# Altium PCB PROC114E3_BRD.PcbDoc (part 2 of 18) (continued)
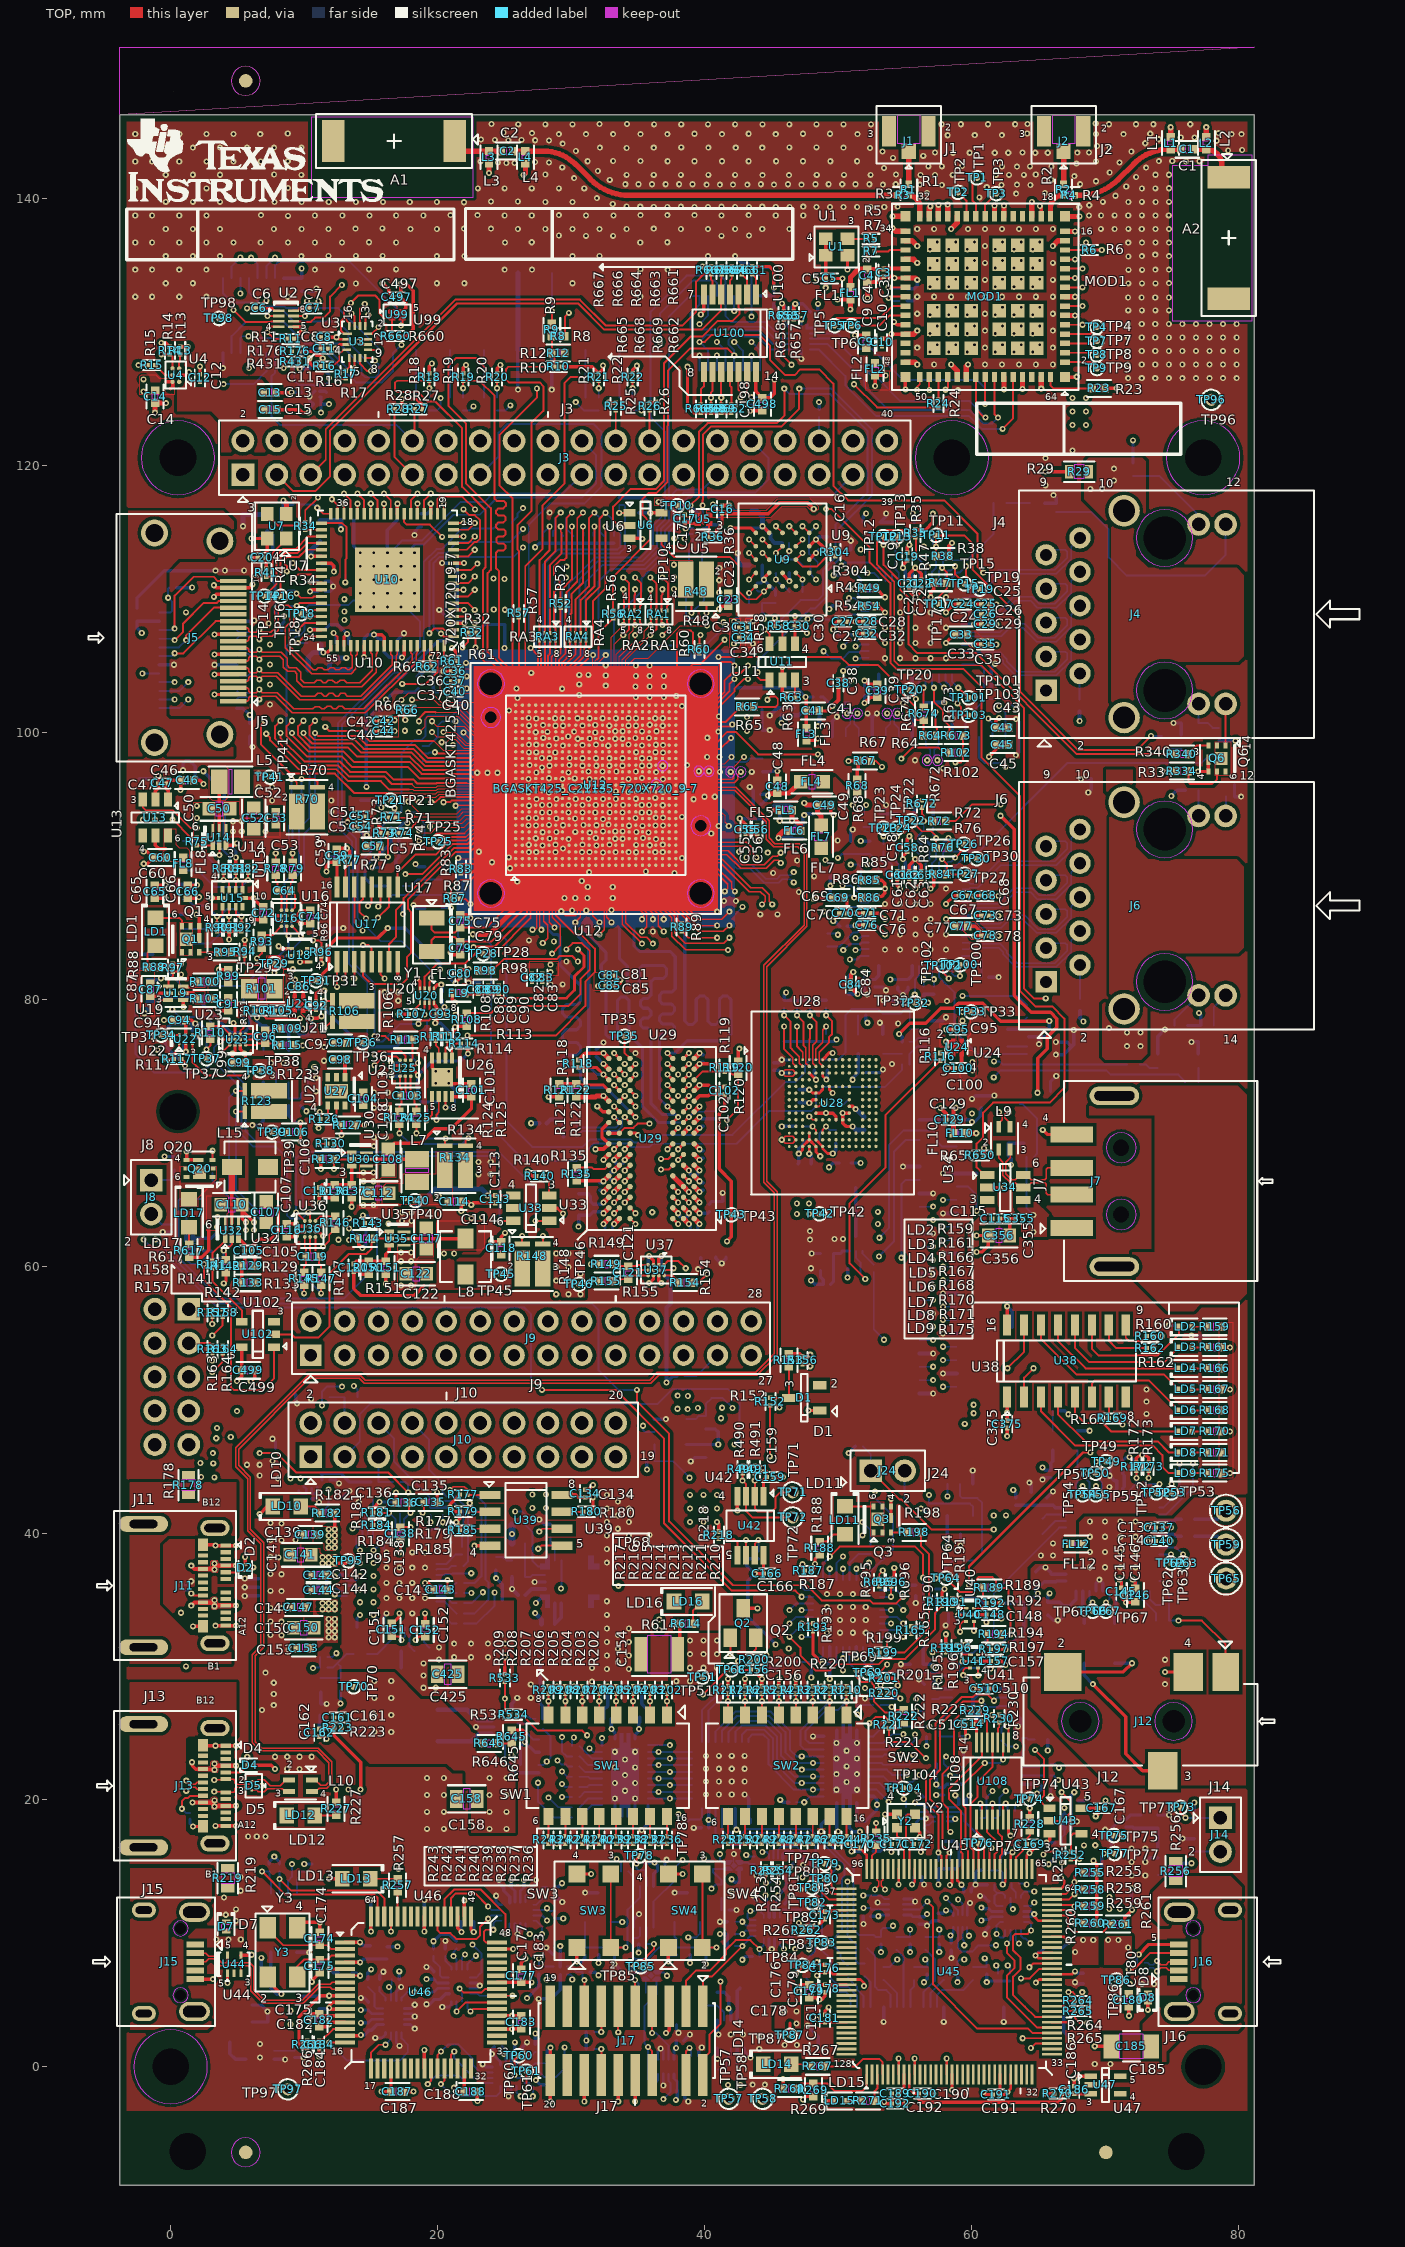
[diagram p0: TOP view]
## Components (designator, comment, footprint, x,y, rotation, side; value= is the part's Value field where it differs from the comment) (continued)
R301 "RESISTOR_RES0201_0-5_22E_1%" RES0201_0-5#1 54.319,113.184 r270 bottom
R302 "RESISTOR_RES0201_0-5_22E_1%" RES0201_0-5#1 53.43,113.184 r270 bottom
R303 "RESISTOR_RES0201_0-5_10K" RES0201_0-5#1 30.936,114.447 r270 bottom
R304 "RESISTOR_RES0201_0-5_10K" RES0201_0-5#1 49.819,113.503 r90 top
R305 "RESISTOR_RES0402_0-5_1K_1%" RES0402_0-5#2 46.357,112.454 r270 bottom
R306 "RESISTOR_RES0201_0-5_10K" RES0201_0-5#1 31.698,114.447 r270 bottom
R307 "RESISTOR_RES0201_0-5_10K" RES0201_0-5#1 33.222,114.447 r270 bottom
R308 "RESISTOR_RES0201_0-5_10K" RES0201_0-5#1 32.46,114.447 r270 bottom
R309 "RESISTOR_RES0201_0-5_10K" RES0201_0-5#1 30.174,114.447 r270 bottom
R310 "RESISTOR_RES0201_0-5_10K" RES0201_0-5#1 28.65,114.447 r270 bottom
R311 "RESISTOR_RES0402_0-5_2.49K_1%" RES0402_0-5#2 50.382,111.288 r90 bottom
R312 "RESISTOR_RES0402_0-5_0E" RES0402_0-5#2 46.867,110.518 r0 bottom
R313 "RESISTOR_RES0201_0-5_10K" RES0201_0-5#1 43.955,110.919 r90 bottom
R314 "RESISTOR_RES0201_0-5_0E" RES0201_0-5#1 0.166,110.856 r0 bottom
R315 "RESISTOR_RES0201_0-5_100K_1%" RES0201_0-5#1 45.341,112.2 r90 bottom
R316 "RESISTOR_RES0402_0-5_2.2K" RES0402_0-5#2 8.312,110.627 r0 bottom
R317 "RESISTOR_RES0201_0-5_10K" RES0201_0-5#1 45.332,109.986 r90 bottom
R318 "RESISTOR_RES0201_0-5_10K" RES0201_0-5#1 29.412,114.447 r270 bottom
R319 "RESISTOR_RES0201_0-5_10K" RES0201_0-5#1 27.888,114.447 r270 bottom
R320 "RESISTOR_RES0201_0-5_22E_1%" RES0201_0-5#1 47.656,112.526 r0 bottom
R321 "RESISTOR_RES0402_0-5_0E" RES0402_0-5#3 43.842,109.706 r0 bottom
R322 "RESISTOR_RES0201_0-5_10K" RES0201_0-5#2 50.229,109.485 r0 bottom
R323 "RESISTOR_RES0402_0-5_2.2K" RES0402_0-5#2 8.312,109.484 r0 bottom
R324 "RESISTOR_RES0402_0-5_0E" RES0402_0-5#2 50.019,108.469 r0 bottom
R325 "RESISTOR_RES0201_0-5_10K" RES0201_0-5#1 8.599,107.63 r0 bottom
R326 "RESISTOR_RES0402_0-5_10K" RES0402_0-5#2 10.733,106.69 r0 bottom
R327 "RESISTOR_RES0402_0-5_4.3K_1%" RES0402_0-5#2 12.857,106.651 r0 bottom
R328 "RESISTOR_RES0201_0-5_10K_1%" RES0201_0-5#1 61.229,104.135 r0 bottom
R329 "RESISTOR_RES0201_0-5_10K" RES0201_0-5#1 57.197,102.51 r90 bottom
R330 "RESISTOR_RES0201_0-5_1.5K" RES0201_0-5#1 56.435,102.51 r270 bottom
R331 "RESISTOR_RES0201_0-5_0E" RES0201_0-5#1 34.318,102.155 r270 bottom
R333 "RESISTOR_RES0402_0-5_49.9K_1%" RES0402_0-5#3 16.385,101.663 r0 bottom
R334 "RESISTOR_RES0402_0-5_220E" RES0402_0-5#2 75.785,97.106 r180 top
R335 "RESISTOR_RES0402_0-5_0E" RES0402_0-5#2 79.24,98.28 r0 bottom
R336 "RESISTOR_RES0201_0-5_22E_1%" RES0201_0-5#1 18.876,98.712 r270 bottom
R337 "RESISTOR_RES0201_0-5_0E" RES0201_0-5#1 18.876,98.152 r90 bottom
R338 "RESISTOR_RES0402_0-5_0E" RES0402_0-5#2 74.288,99.251 r270 bottom
R339 "RESISTOR_RES0603_0-75_0E" RES0603_0-75#2 69.734,96.521 r0 bottom
R340 "RESISTOR_RES0402_0-5_0E" RES0402_0-5#2 75.785,98.376 r0 top
R341 "RESISTOR_RES0402_0-5_220E" RES0402_0-5#2 75.725,78.04 r0 bottom
R342 "RESISTOR_RES0402_0-5_220E" RES0402_0-5#2 76.547,95.657 r0 bottom
R343 "RESISTOR_RES0201_0-5_22E_1%" RES0201_0-5#1 18.454,93.736 r90 bottom
R344 "RESISTOR_RES0402_0-5_2.49K_1%" RES0402_0-5#2 55.716,93.418 r90 bottom
R345 "RESISTOR_RES0402_0-5_2.49K_1%" RES0402_0-5#2 54.446,93.418 r270 bottom
R346 "RESISTOR_RES0402_0-5_2.49K_1%" RES0402_0-5#2 53.176,93.418 r270 bottom
R347 "RESISTOR_RES0402_0-5_2.49K_1%" RES0402_0-5#2 51.906,93.418 r90 bottom
R348 "RESISTOR_RES0402_0-5_2.49K_1%" RES0402_0-5#2 57.14,93.348 r270 bottom
R349 "RESISTOR_RES0402_0-5_5.76K_1%" RES0402_0-5#2 52.414,91.368 r270 bottom
R350 "RESISTOR_RES0402_0-5_2.49K_1%" RES0402_0-5#2 50.966,91.368 r270 bottom
R351 "RESISTOR_RES0201_0-5_10K" RES0201_0-5#1 57.875,91.34 r90 bottom
R352 "RESISTOR_RES0201_0-5_2.2K_1%" RES0201_0-5#1 56.859,91.34 r90 bottom
R353 "RESISTOR_RES0201_0-5_22E_1%" RES0201_0-5#1 54.319,91.34 r270 bottom
R354 "RESISTOR_RES0201_0-5_22E_1%" RES0201_0-5#1 53.43,91.34 r270 bottom
R355 "RESISTOR_RES0402_0-5_0E" RES0402_0-5#2 20.309,89.456 r90 bottom
R356 "RESISTOR_RES0402_0-5_2.49K_1%" RES0402_0-5#3 50.019,89.266 r0 bottom
R357 "RESISTOR_RES0402_0-5_2.49K_1%" RES0402_0-5#3 50.019,87.768 r0 bottom
R358 "RESISTOR_RES0402_0-5_0E" RES0402_0-5#2 20.309,87.323 r270 bottom
R359 "RESISTOR_RES0402_0-5_0E" RES0402_0-5#2 50.019,86.625 r0 bottom
R360 "RESISTOR_RES0402_0-5_0E" RES0402_0-5#2 49.209,84.437 r270 bottom
R361 "RESISTOR_RES0201_0-5_10K_1%" RES0201_0-5#1 61.039,82.418 r0 bottom
R362 "RESISTOR_RES0201_0-5_10K" RES0201_0-5#1 57.197,80.666 r270 bottom
R363 "RESISTOR_RES0201_0-5_2.2K" RES0201_0-5#1 56.435,80.666 r90 bottom
R364 "RESISTOR_RES0201_0-5_49.9K_1%" RES0201_0-5#1 49.125,79.64 r270 bottom
R365 "RESISTOR_RES0201_0-5_49.9K_1%" RES0201_0-5#1 47.906,79.64 r270 bottom
R366 "RESISTOR_RES0201_0-5_49.9K_1%" RES0201_0-5#1 46.94,79.64 r270 bottom
R367 "RESISTOR_RES0201_0-5_49.9K_1%" RES0201_0-5#1 45.975,79.64 r270 bottom
R368 "RESISTOR_RES0402_0-5_49.9E_1%" RES0402_0-5#2 54.167,79.421 r270 bottom
R369 "RESISTOR_RES0201_0-5_22E_1%" RES0201_0-5#1 64.195,78.928 r90 bottom
R370 "RESISTOR_RES0201_0-5_10K_1%" RES0201_0-5#1 51.802,78.803 r0 bottom
R371 "RESISTOR_RES0402_0-5_220E" RES0402_0-5#3 77.683,78.04 r0 bottom
R372 "RESISTOR_RES0201_0-5_22E_1%" RES0201_0-5#1 55.39,78.036 r90 bottom
R373 "RESISTOR_RES0201_0-5_10K" RES0201_0-5#1 6.771,77.736 r270 bottom
R374 "RESISTOR_RES0201_0-5_10K" RES0201_0-5#1 1.622,77.34 r90 bottom
R375 "RESISTOR_RES0402_0-5_100K_1%" RES0402_0-5#2 18.15,77.252 r0 bottom
R376 "RESISTOR_RES0201_0-5_49.9K_1%" RES0201_0-5#1 49.125,77.115 r90 bottom
R377 "RESISTOR_RES0201_0-5_49.9K_1%" RES0201_0-5#1 47.906,77.115 r90 bottom
R378 "RESISTOR_RES0201_0-5_49.9K_1%" RES0201_0-5#1 46.94,77.115 r90 bottom
R379 "RESISTOR_RES0201_0-5_49.9K_1%" RES0201_0-5#1 45.975,77.115 r90 bottom
R380 "RESISTOR_RES0201_0-5_10K" RES0201_0-5#2 55.102,76.819 r0 bottom
R381 "RESISTOR_RES0201_0-5_10K" RES0201_0-5#1 0.686,76.756 r0 bottom
R382 "RESISTOR_RES0201_0-5_22E_1%" RES0201_0-5#1 64.195,76.176 r270 bottom
R383 "RESISTOR_RES0402_0-5_0E" RES0402_0-5#2 72.147,75.116 r0 bottom
R384 "RESISTOR_RES0201_0-5_22E_1%" RES0201_0-5#1 55.102,75.919 r0 bottom
R385 "RESISTOR_RES0201_0-5_0E" RES0201_0-5#1 55.102,75.097 r0 bottom
R386 "RESISTOR_RES0201_0-5_10K_1%" RES0201_0-5#1 2.845,77.267 r90 bottom
R387 "RESISTOR_RES0402_0-5_0E" RES0402_0-5#2 76.525,73.799 r0 bottom
R388 "RESISTOR_RES0201_0-5_10K" RES0201_0-5#1 21.325,72.756 r90 bottom
R389 "RESISTOR_RES0201_0-5_10K" RES0201_0-5#1 9.76,72.297 r270 bottom
R390 "RESISTOR_RES0201_0-5_10K" RES0201_0-5#1 8.846,72.297 r90 bottom
R391 "RESISTOR_RES0201_0-5_4.7K" RES0201_0-5#1 19.995,72.019 r270 bottom
R392 "RESISTOR_RES0201_0-5_4.7K" RES0201_0-5#1 19.233,72.019 r270 bottom
R393 "RESISTOR_RES0201_0-5_10K_1%" RES0201_0-5#1 49.656,71.752 r270 bottom
R394 "RESISTOR_RES0201_0-5_10K" RES0201_0-5#1 40.806,71.325 r270 bottom
R395 "RESISTOR_RES0402_0-5_39.2E_1%" RES0402_0-5#3 29.938,70.987 r0 bottom
R396 "RESISTOR_RES0201_0-5_49.9K_1%" RES0201_0-5#1 47.132,70.472 r0 bottom
R397 "RESISTOR_RES0402_0-5_39.2E_1%" RES0402_0-5#3 29.938,69.717 r0 bottom
R398 "RESISTOR_RES0402_0-5_49.9K_1%" RES0402_0-5#2 49.849,69.708 r270 bottom
R399 "RESISTOR_RES0402_0-5_49.9K_1%" RES0402_0-5#2 48.143,69.383 r0 bottom
R400 "RESISTOR_RES0402_0-5_1K_1%" RES0402_0-5#2 0.278,67.732 r90 bottom
R402 "RESISTOR_RES0201_0-5_10K" RES0201_0-5#1 0.053,62.842 r90 bottom
R403 "RESISTOR_RES0201_0-5_4.7K" RES0201_0-5#2 14.358,63.18 r0 bottom
R404 "RESISTOR_RES0201_0-5_4.7K" RES0201_0-5#2 14.358,62.418 r0 bottom
R406 "RESISTOR_RES0402_0-5_100K_1%" RES0402_0-5#3 49.188,60.945 r0 bottom
R407 "RESISTOR_RES0201_0-5_1K_0.1%" RES0201_0-5#1 39.728,60.919 r270 bottom
R408 "RESISTOR_RES0201_0-5_1K_0.1%" RES0201_0-5#1 37.975,60.869 r0 bottom
R410 "RESISTOR_RES0201_0-5_0E" RES0201_0-5#1 52.694,59.827 r90 bottom
R411 "RESISTOR_RES0402_0-5_100K_1%" RES0402_0-5#3 51.22,59.802 r0 bottom
R412 "RESISTOR_RES0402_0-5_316K_1%" RES0402_0-5#2 49.188,59.675 r0 bottom
R418 "RESISTOR_RES0603_0-75_0E" RES0603_0-75#1 75.858,56.297 r270 bottom
R420 "RESISTOR_RES0201_0-5_10K" RES0201_0-5#2 38.216,51.75 r0 bottom
R421 "RESISTOR_RES0402_0-5_0E" RES0402_0-5#3 13.527,50.175 r0 bottom
R422 "RESISTOR_RES0201_0-5_0E" RES0201_0-5#1 11.622,50.175 r0 bottom
R425 "RESISTOR_RES0201_0-5_10K_1%" RES0201_0-5#2 66.387,49.157 r0 bottom
R426 "RESISTOR_RES0402_0-5_49.9K_1%" RES0402_0-5#2 40.114,48.283 r90 bottom
R427 "RESISTOR_RES0201_0-5_10K" RES0201_0-5#2 35.971,45.38 r0 bottom
R431 "RESISTOR_RES0201_0-5_10K" RES0201_0-5#1 9.353,127.789 r180 top
R432 "RESISTOR_RES0201_0-5_10K" RES0201_0-5#1 73.293,44.968 r270 bottom
R433 "RESISTOR_RES0201_0-5_10K" RES0201_0-5#1 72.379,44.968 r270 bottom
R437 "RESISTOR_RES0201_0-5_0E" RES0201_0-5#1 69.367,44.511 r270 bottom
R438 "RESISTOR_RES0201_0-5_0E" RES0201_0-5#1 67.957,44.422 r90 bottom
R439 "RESISTOR_RES0201_0-5_0E" RES0201_0-5#1 76.62,44.384 r270 bottom
R440 "RESISTOR_RES0201_0-5_0E" RES0201_0-5#1 75.604,44.384 r270 bottom
R441 "RESISTOR_RES0201_0-5_0E" RES0201_0-5#2 16.948,43.825 r0 bottom
R442 "RESISTOR_RES0201_0-5_2.2K" RES0201_0-5#1 15.297,43.825 r0 bottom
R445 "RESISTOR_RES0402_0-5_100K_1%" RES0402_0-5#3 12.313,42.561 r0 bottom
R446 "RESISTOR_RES0201_0-5_0E" RES0201_0-5#1 63.336,42.352 r90 bottom
R449 "RESISTOR_RES0402_0-5_1M_1%" RES0402_0-5#2 14.1,41.187 r0 bottom
R450 "RESISTOR_RES0201_0-5_10K" RES0201_0-5#1 17.17,41.747 r270 bottom
R451 "RESISTOR_RES0201_0-5_10K" RES0201_0-5#1 20.396,41.645 r270 bottom
R452 "RESISTOR_RES0201_0-5_10K" RES0201_0-5#1 19.481,41.645 r270 bottom
R453 "RESISTOR_RES0402_0-5_100K_1%" RES0402_0-5#2 26.074,40.625 r0 bottom
R454 "RESISTOR_RES0402_0-5_32.4K_1%" RES0402_0-5#2 28.462,40.168 r90 bottom
R455 "RESISTOR_RES0402_0-5_100K_1%" RES0402_0-5#2 26.074,39.228 r0 bottom
R457 "RESISTOR_RES0201_0-5_10K" RES0201_0-5#1 21.044,39.6 r270 bottom
R459 "RESISTOR_RES0201_0-5_10K" RES0201_0-5#1 44.297,134.562 r90 bottom
R460 "RESISTOR_RES0201_0-5_0E" RES0201_0-5#1 21.819,38.686 r270 bottom
R461 "RESISTOR_RES0402_0-5_1K_1%" RES0402_0-5#2 24.373,37.714 r90 bottom
R464 "RESISTOR_RES0201_0-5_0E" RES0201_0-5#2 21.668,37.515 r0 bottom
R465 "RESISTOR_RES0402_0-5_100K_1%" RES0402_0-5#3 9.628,36.911 r0 bottom
R466 "RESISTOR_RES0201_0-5_0E" RES0201_0-5#2 11.406,36.805 r0 bottom
R467 "RESISTOR_RES0402_0-5_43.2K_1%" RES0402_0-5#3 26.074,36.688 r0 bottom
R468 "RESISTOR_RES0201_0-5_0E" RES0201_0-5#1 21.693,36.271 r0 bottom
R469 "RESISTOR_RES0201_0-5_10K" RES0201_0-5#2 56.117,36.078 r0 bottom
R470 "RESISTOR_RES0201_0-5_10K_1%" RES0201_0-5#2 11.406,36.043 r0 bottom
R471 "RESISTOR_RES0402_0-5_100K_1%" RES0402_0-5#3 9.628,35.641 r0 bottom
R472 "RESISTOR_RES0201_0-5_10K" RES0201_0-5#1 57.347,35.521 r90 bottom
R473 "RESISTOR_RES0201_0-5_0E" RES0201_0-5#1 21.693,35.509 r0 bottom
R474 "RESISTOR_RES0201_0-5_10K" RES0201_0-5#1 56.117,35.316 r0 bottom
R475 "RESISTOR_RES0201_0-5_10K_1%" RES0201_0-5#2 24.561,35.007 r0 bottom
R477 "RESISTOR_RES0201_0-5_0E" RES0201_0-5#2 64.225,34.834 r0 bottom
R478 "RESISTOR_RES0201_0-5_0E" RES0201_0-5#1 21.693,34.747 r0 bottom
R479 "RESISTOR_RES0201_0-5_2.2K_1%" RES0201_0-5#2 74.538,34.605 r0 bottom
R480 "RESISTOR_RES0201_0-5_0E" RES0201_0-5#1 21.693,33.985 r0 bottom
R481 "RESISTOR_RES0201_0-5_10K" RES0201_0-5#1 60.212,33.691 r90 bottom
R482 "RESISTOR_RES0201_0-5_0E" RES0201_0-5#2 21.693,33.223 r0 bottom
R483 "RESISTOR_RES0402_0-5_0E" RES0402_0-5#2 17.769,31.151 r0 bottom
R484 "RESISTOR_RES0201_0-5_100K_1%" RES0201_0-5#1 19.394,31.125 r270 bottom
R485 "RESISTOR_RES0402_0-5_0E" RES0402_0-5#2 46.454,30.339 r0 bottom
R486 "RESISTOR_RES0201_0-5_10K" RES0201_0-5#1 48.011,30.059 r270 bottom
R487 "RESISTOR_RES0201_0-5_10K" RES0201_0-5#1 58.297,30.135 r90 bottom
R488 "RESISTOR_RES0201_0-5_10K" RES0201_0-5#2 52.273,30.034 r0 bottom
R489 "RESISTOR_RES0201_0-5_10K" RES0201_0-5#1 51.421,27.39 r90 bottom
R490 "RESISTOR_RES0201_0-5_4.7K" RES0201_0-5#1 42.862,44.767 r270 top
R491 "RESISTOR_RES0201_0-5_4.7K" RES0201_0-5#1 43.776,44.767 r270 top
R492 "RESISTOR_RES0201_0-5_0E" RES0201_0-5#1 11.457,29.93 r0 bottom
R494 "RESISTOR_RES0402_0-5_1K_1%" RES0402_0-5#3 14.209,30.928 r0 bottom
R495 "RESISTOR_RES0201_0-5_10K_1%" RES0201_0-5#1 11.139,25.029 r90 bottom
R497 "RESISTOR_RES0402_0-5_100K_1%" RES0402_0-5#2 12.727,28.66 r270 bottom
R498 "RESISTOR_RES0201_0-5_4.7K" RES0201_0-5#1 43.126,38.345 r90 bottom
R499 "RESISTOR_RES0201_0-5_4.7K" RES0201_0-5#1 44.041,38.345 r90 bottom
R501 "RESISTOR_RES0201_0-5_1.1K_1%" RES0201_0-5#2 30.367,24.021 r0 bottom
R502 "RESISTOR_RES0201_0-5_10K_1%" RES0201_0-5#2 10.911,26.337 r0 bottom
R504 "RESISTOR_RES0201_0-5_1.1K_1%" RES0201_0-5#2 30.367,23.259 r0 bottom
R506 "RESISTOR_RES0201_0-5_1.1K_1%" RES0201_0-5#2 30.367,22.497 r0 bottom
R508 "RESISTOR_RES0201_0-5_1.1K_1%" RES0201_0-5#2 30.367,21.735 r0 bottom
R509 "RESISTOR_RES0201_0-5_10K_1%" RES0201_0-5#1 27.58,22.327 r270 bottom
R511 "RESISTOR_RES0201_0-5_1.1K_1%" RES0201_0-5#2 30.367,20.973 r0 bottom
R513 "RESISTOR_RES0201_0-5_1.1K_1%" RES0201_0-5#2 30.367,20.211 r0 bottom
R514 "RESISTOR_RES0201_0-5_10K" RES0201_0-5#2 46.598,19.822 r0 bottom
R515 "RESISTOR_RES0201_0-5_10K_1%" RES0201_0-5#1 13.844,19.467 r0 bottom
R516 "RESISTOR_RES0201_0-5_1.1K_1%" RES0201_0-5#2 30.367,19.449 r0 bottom
R517 "RESISTOR_RES0201_0-5_10K" RES0201_0-5#1 76.72,18.939 r90 bottom
R518 "RESISTOR_RES0201_0-5_1.1K_1%" RES0201_0-5#2 30.367,18.687 r0 bottom
R519 "RESISTOR_RES0402_0-5_30K" RES0402_0-5#2 73.981,18.374 r90 bottom
R520 "RESISTOR_RES0402_0-5_51K" RES0402_0-5#2 72.711,18.374 r270 bottom
R521 "RESISTOR_RES0201_0-5_10K" RES0201_0-5#1 43.149,18.298 r0 bottom
R522 "RESISTOR_RES0201_0-5_10K" RES0201_0-5#2 38.343,18.261 r0 bottom
R525 "RESISTOR_RES0201_0-5_0E" RES0201_0-5#2 56.769,26.67 r0 bottom
R526 "RESISTOR_RES0201_0-5_10K" RES0201_0-5#1 66.53,16.793 r0 bottom
R527 "RESISTOR_RES0402_0-5_1K_1%" RES0402_0-5#2 76.72,16.609 r270 bottom
R530 "RESISTOR_RES0402_0-5_100E_1%" RES0402_0-5#3 52.168,16.139 r0 bottom
R531 "RESISTOR_RES0201_0-5_10K" RES0201_0-5#2 66.53,16.031 r0 bottom
R533 "RESISTOR_RES0201_0-5_10K_1%" RES0201_0-5#1 25.049,29.134 r270 top
R534 "RESISTOR_RES0201_0-5_0E" RES0201_0-5#1 25.705,26.386 r180 top
R535 "RESISTOR_RES0201_0-5_33E" RES0201_0-5#1 43.771,15.47 r270 bottom
R537 "RESISTOR_RES0201_0-5_10K" RES0201_0-5#1 40.646,15.117 r90 bottom
R538 "RESISTOR_RES0201_0-5_10K" RES0201_0-5#1 35.531,15.021 r270 bottom
R539 "RESISTOR_RES0201_0-5_10K" RES0201_0-5#1 62.193,14.997 r90 bottom
R540 "RESISTOR_RES0201_0-5_0E" RES0201_0-5#1 75.173,14.971 r270 bottom
R541 "RESISTOR_RES0201_0-5_10K" RES0201_0-5#1 10.561,14.917 r90 bottom
R542 "RESISTOR_RES0201_0-5_10K" RES0201_0-5#1 8.154,14.917 r90 bottom
R543 "RESISTOR_RES0201_0-5_10K" RES0201_0-5#1 7.392,14.917 r90 bottom
R544 "RESISTOR_RES0201_0-5_0E" RES0201_0-5#2 56.769,27.559 r0 bottom
R546 "RESISTOR_RES0201_0-5_10K" RES0201_0-5#2 61.025,14.717 r0 bottom
R550 "RESISTOR_RES0201_0-5_4.7K" RES0201_0-5#2 34.022,14.639 r0 bottom
R551 "RESISTOR_RES0201_0-5_2.2K_1%" RES0201_0-5#1 9.366,14.637 r0 bottom
R552 "RESISTOR_RES0402_0-5_1K_1%" RES0402_0-5#2 68.924,14.554 r0 bottom
R553 "RESISTOR_RES0201_0-5_22E_1%" RES0201_0-5#2 63.311,13.752 r0 bottom
R554 "RESISTOR_RES0201_0-5_10K" RES0201_0-5#1 61.466,13.649 r0 bottom
R555 "RESISTOR_RES0201_0-5_10K" RES0201_0-5#1 28.487,13.472 r0 bottom
R556 "RESISTOR_RES0402_0-5_1K_1%" RES0402_0-5#2 68.924,13.284 r0 bottom
R557 "RESISTOR_RES0402_0-5_100E_1%" RES0402_0-5#2 41.283,13.156 r270 bottom
R558 "RESISTOR_RES0201_0-5_10K" RES0201_0-5#2 28.487,12.583 r0 bottom
R559 "RESISTOR_RES0201_0-5_10K" RES0201_0-5#1 47.257,12.066 r270 bottom
R560 "RESISTOR_RES0402_0-5_1K_1%" RES0402_0-5#2 68.924,12.014 r0 bottom
R561 "RESISTOR_RES0201_0-5_4.7K" RES0201_0-5#1 28.8,11.394 r90 bottom
R562 "RESISTOR_RES0201_0-5_10K" RES0201_0-5#1 42.004,10.867 r0 bottom
R563 "RESISTOR_RES0402_0-5_1K_1%" RES0402_0-5#2 68.924,10.744 r0 bottom
R564 "RESISTOR_RES0201_0-5_10K" RES0201_0-5#2 42.004,9.952 r0 bottom
R565 "RESISTOR_RES0201_0-5_22E_1%" RES0201_0-5#1 47.461,9.764 r90 bottom
R566 "RESISTOR_RES0201_0-5_10K" RES0201_0-5#1 57.604,9.455 r270 bottom
R567 "RESISTOR_RES0201_0-5_10K" RES0201_0-5#1 55.419,9.455 r270 bottom
R568 "RESISTOR_RES0201_0-5_10K" RES0201_0-5#1 53.235,9.455 r270 bottom
R569 "RESISTOR_RES0402_0-5_0E" RES0402_0-5#2 52.219,9.372 r270 bottom
R570 "RESISTOR_RES0402_0-5_0E" RES0402_0-5#2 56.588,9.245 r270 bottom
R571 "RESISTOR_RES0402_0-5_0E" RES0402_0-5#2 54.403,9.245 r270 bottom
R572 "RESISTOR_RES0201_0-5_10K" RES0201_0-5#2 35.352,9.198 r0 bottom
R573 "RESISTOR_RES0201_0-5_4.7K" RES0201_0-5#1 21.418,9.126 r270 bottom
R574 "RESISTOR_RES0201_0-5_10K" RES0201_0-5#2 42.004,9.038 r0 bottom
R575 "RESISTOR_RES0201_0-5_10K" RES0201_0-5#1 38.927,8.664 r90 bottom
R576 "RESISTOR_RES0201_0-5_10K" RES0201_0-5#1 32.069,8.664 r90 bottom
R577 "RESISTOR_RES0201_0-5_10K" RES0201_0-5#1 20.588,8.57 r270 bottom
R578 "RESISTOR_RES0201_0-5_10K" RES0201_0-5#1 19.699,8.57 r90 bottom
R579 "RESISTOR_RES0201_0-5_10K" RES0201_0-5#2 43.854,8.265 r0 bottom
R580 "RESISTOR_RES0201_0-5_0E" RES0201_0-5#1 65.659,22.707 r0 bottom
R581 "RESISTOR_RES0201_0-5_4.7K" RES0201_0-5#1 62.899,6.705 r90 bottom
R583 "RESISTOR_RES0402_0-5_0E" RES0402_0-5#2 52.016,7.249 r270 bottom
R584 "RESISTOR_RES0201_0-5_10K" RES0201_0-5#1 27.598,7.218 r90 bottom
R585 "RESISTOR_RES0201_0-5_10K" RES0201_0-5#1 61.16,7.205 r270 bottom
R586 "RESISTOR_RES0201_0-5_10K" RES0201_0-5#1 58.975,7.205 r270 bottom
R587 "RESISTOR_RES0201_0-5_10K" RES0201_0-5#1 56.715,7.205 r270 bottom
R589 "RESISTOR_RES0402_0-5_0E" RES0402_0-5#2 50.746,7.128 r270 bottom
R590 "RESISTOR_RES0402_0-5_0E" RES0402_0-5#2 49.476,7.128 r270 bottom
R591 "RESISTOR_RES0402_0-5_0E" RES0402_0-5#2 47.647,7.128 r270 bottom
R592 "RESISTOR_RES0201_0-5_4.7K" RES0201_0-5#2 31.155,7.097 r0 bottom
R593 "RESISTOR_RES0402_0-5_12K_1%" RES0402_0-5#2 13.047,7.052 r0 bottom
R594 "RESISTOR_RES0402_0-5_0E" RES0402_0-5#2 60.144,6.995 r270 bottom
R595 "RESISTOR_RES0402_0-5_0E" RES0402_0-5#2 57.959,6.995 r270 bottom
R596 "RESISTOR_RES0402_0-5_0E" RES0402_0-5#2 55.699,6.995 r270 bottom
R597 "RESISTOR_RES0402_0-5_0E" RES0402_0-5#2 53.438,6.995 r270 bottom
R598 "RESISTOR_RES0201_0-5_0E" RES0201_0-5#1 65.659,21.818 r0 bottom
R599 "RESISTOR_RES0201_0-5_4.7K" RES0201_0-5#2 16.849,6.572 r0 bottom
R600 "RESISTOR_RES0201_0-5_4.7K" RES0201_0-5#1 62.01,6.705 r90 bottom
R601 "RESISTOR_RES0201_0-5_10K" RES0201_0-5#1 15.66,6.259 r270 bottom
R602 "RESISTOR_RES0201_0-5_10K" RES0201_0-5#1 14.784,6.259 r90 bottom
R603 "RESISTOR_RES0201_0-5_33E" RES0201_0-5#1 35.336,5.497 r0 bottom
R604 "RESISTOR_RES0402_0-5_100K_1%" RES0402_0-5#2 40.942,5.089 r90 bottom
R605 "RESISTOR_RES0201_0-5_10K" RES0201_0-5#1 31.433,2.6 r0 bottom
R606 "RESISTOR_RES0201_0-5_10K" RES0201_0-5#1 27.332,1.395 r90 bottom
R607 "RESISTOR_RES0201_0-5_10K" RES0201_0-5#1 31.433,1.331 r0 bottom
R608 "RESISTOR_RES0201_0-5_0E" RES0201_0-5#2 39.283,0.823 r0 bottom
R609 "RESISTOR_RES0201_0-5_10K" RES0201_0-5#1 28.233,0.544 r270 bottom
R610 "RESISTOR_RES0402_0-5_0E" RES0402_0-5#2 41.01,-0.701 r90 bottom
R611 "RESISTOR_RES0201_0-5_4.7K" RES0201_0-5#1 28.005,-1.057 r90 bottom
R612 "RESISTOR_RES0805_0-75_0E" RES0805_0-75#2 3.138,13.752 r0 bottom
R614 "RESISTOR_RES0402_0-5_220E" RES0402_0-5#2 38.647,33.208 r180 top
R616 "RESISTOR_RES0402_0-5_0E" RES0402_0-5#2 3.144,67.478 r90 bottom
R617 "RESISTOR_RES0402_0-5_220E" RES0402_0-5#2 1.389,61.152 r270 top
R625 "RESISTOR_RES0201_0-5_0E" RES0201_0-5#1 11.457,30.692 r0 bottom
R641 "RESISTOR_RES0201_0-5_0E" RES0201_0-5#2 27.61,26.081 r0 bottom
R642 "RESISTOR_RES0201_0-5_0E" RES0201_0-5#1 27.61,25.319 r0 bottom
R643 "RESISTOR_RES0201_0-5_0E" RES0201_0-5#1 25.908,22.652 r0 bottom
R645 "RESISTOR_RES0402_0-5_130K_1%" RES0402_0-5#2 25.549,24.722 r90 top
R646 "RESISTOR_RES0402_0-5_680K_1%" RES0402_0-5#2 23.869,24.232 r0 top
R647 "RESISTOR_RES0201_0-5_10K_1%" RES0201_0-5#2 62.475,69.21 r0 bottom
R648 "RESISTOR_RES0402_0-5_16.5K_1%" RES0402_0-5#2 64.433,69.21 r0 bottom
R649 "RESISTOR_RES0201_0-5_3.4K_1%" RES0201_0-5#2 64.433,68.194 r0 bottom
R650 "RESISTOR_RES0201_0-5_10K" RES0201_0-5#1 60.681,68.301 r180 top
R654 "RESISTOR_RES0201_0-5_0E" RES0201_0-5#1 29.863,107.396 r270 bottom
R655 "RESISTOR_RES0201_0-5_10K" RES0201_0-5#2 51.602,46.499 r0 bottom
R656 "RESISTOR_RES0402_0-5_1K_1%" RES0402_0-5#2 55.008,42.109 r90 bottom
R657 "RESISTOR_RES0201_0-5_10K" RES0201_0-5#1 46.7,131.238 r270 top
R658 "RESISTOR_RES0201_0-5_10K" RES0201_0-5#1 45.938,131.238 r90 top
R659 "RESISTOR_RES0201_0-5_10K" RES0201_0-5#1 43.535,134.562 r270 bottom
R660 "RESISTOR_RES0201_0-5_10K" RES0201_0-5#1 16.858,129.709 r0 top
R661 "RESISTOR_RES0201_0-5_10K" RES0201_0-5#1 43.574,134.637 r270 top
R662 "RESISTOR_RES0201_0-5_10K" RES0201_0-5#1 42.022,124.252 r90 top
R663 "RESISTOR_RES0201_0-5_10K" RES0201_0-5#1 42.812,134.637 r90 top
R664 "RESISTOR_RES0201_0-5_10K" RES0201_0-5#1 42.05,134.637 r270 top
R665 "RESISTOR_RES0201_0-5_10K" RES0201_0-5#1 39.736,124.252 r90 top
R666 "RESISTOR_RES0201_0-5_4.7K" RES0201_0-5#1 41.288,134.637 r270 top
R667 "RESISTOR_RES0201_0-5_4.7K" RES0201_0-5#1 40.526,134.637 r270 top
R668 "RESISTOR_RES0201_0-5_1.8K" RES0201_0-5#1 40.498,124.252 r90 top
R669 "RESISTOR_RES0201_0-5_1.8K" RES0201_0-5#1 41.26,124.252 r90 top
R670 "RESISTOR_RES0402_0-5_1K_1%" RES0402_0-5#2 1.186,64.53 r90 bottom
R671 "RESISTOR_RES0402_0-5_100K_1%" RES0402_0-5#2 59.896,125.322 r270 bottom
R672 "RESISTOR_RES0201_0-5_2.2K" RES0201_0-5#1 56.302,94.646 r270 top
R673 "RESISTOR_RES0402_0-5_0E" RES0402_0-5#2 58.875,99.757 r180 top
R674 "RESISTOR_RES0402_0-5_0E" RES0402_0-5#2 56.435,101.402 r90 top
R684 "RESISTOR_RES0201_0-5_4.7K" RES0201_0-5#1 56.841,41.924 r90 bottom
R685 "RESISTOR_RES0201_0-5_10K" RES0201_0-5#2 58.879,24.754 r0 bottom
R686 "RESISTOR_RES0201_0-5_4.7K" RES0201_0-5#1 57.536,15.133 r90 bottom
R687 "RESISTOR_RES0201_0-5_4.7K" RES0201_0-5#1 58.425,15.133 r90 bottom
R688 "RESISTOR_RES0201_0-5_10K" RES0201_0-5#1 63.519,24.641 r0 bottom
R689 "RESISTOR_RES0201_0-5_4.7K" RES0201_0-5#1 57.658,21.818 r0 bottom
R690 "RESISTOR_RES0201_0-5_4.7K" RES0201_0-5#1 57.658,22.707 r0 bottom
R691 "RESISTOR_RES0201_0-5_10K" RES0201_0-5#1 56.159,17.907 r0 bottom
R692 "RESISTOR_RES0402_0-5_1K_1%" RES0402_0-5#2 57.404,16.891 r0 bottom
R693 "RESISTOR_RES0402_0-5_1K_1%" RES0402_0-5#3 57.137,24.754 r0 bottom
R694 "RESISTOR_RES0402_0-5_1K_1%" RES0402_0-5#2 65.246,24.514 r0 bottom
R695 "RESISTOR_RES0201_0-5_0E" RES0201_0-5#1 53.103,36.297 r90 top
R696 "RESISTOR_RES0201_0-5_10K" RES0201_0-5#1 53.992,36.297 r270 top
R697 "RESISTOR_RES0201_0-5_0E" RES0201_0-5#1 51.567,38.715 r90 bottom
R698 "RESISTOR_RES0201_0-5_0E" RES0201_0-5#1 52.456,38.715 r90 bottom
RA1 "RESARR_ISO4_RESA_EXB_0201-4_0-5" RESA_EXB_0201-4_0-5 36.595,108.848 r180 top
RA2 "RESARR_ISO4_RESA_EXB_0201-4_0-5" RESA_EXB_0201-4_0-5 34.563,108.848 r180 top
RA3 "RESARR_ISO4_RESA_EXB_0201-4_0_1" RESA_EXB_0201-4_0-5 28.245,107.184 r180 top
RA4 "RESARR_ISO4_RESA_EXB_0201-4_0_1" RESA_EXB_0201-4_0-5 30.527,107.184 r180 top
SW1 "SW16_CHS-08A_SW16_416131160808_" SW16_416131160808_460X230_SMD_2-7 32.755,22.565 r180 top
SW2 "SW16_CHS-08A_SW16_416131160808_" SW16_416131160808_460X230_SMD_2-7 46.217,22.565 r180 top
SW3 "7914G-1-000E _7914G_SW4_100X216" SW4_100X216_200X200_SMD_4-2 31.713,11.694 r0 top
SW4 "7914G-1-000E _7914G_SW4_100X216" SW4_100X216_200X200_SMD_4-2 38.571,11.694 r0 top
TP1 "TESTPOINT_TP20_SMD_TP20_SMD" TP20_SMD 60.441,141.564 r0 top
TP2 "TESTPOINT_TP20_SMD_TP20_SMD" TP20_SMD 59.018,140.472 r0 top
TP3 "TESTPOINT_TP20_SMD_TP20_SMD" TP20_SMD 61.875,140.381 r0 top
TP4 "TESTPOINT_TP20_SMD_TP20_SMD" TP20_SMD 69.418,130.373 r0 top
TP5 "TESTPOINT_TP20_SMD_TP20_SMD" TP20_SMD 49.749,130.484 r0 top
TP6 "TESTPOINT_TP20_SMD_TP20_SMD" TP20_SMD 51.045,130.484 r0 top
TP7 "TESTPOINT_TP20_SMD_TP20_SMD" TP20_SMD 69.418,129.332 r0 top
TP8 "TESTPOINT_TP20_SMD_TP20_SMD" TP20_SMD 69.418,128.291 r0 top
TP9 "TESTPOINT_TP20_SMD_TP20_SMD" TP20_SMD 69.418,127.275 r0 top
TP10 "TESTPOINT_TP20_SMD_TP20_SMD" TP20_SMD 37.994,116.997 r0 top
TP11 "TESTPOINT_TP20_SMD_TP20_SMD" TP20_SMD 57.367,114.767 r0 top
TP12 "TESTPOINT_TP20_SMD_TP20_SMD" TP20_SMD 53.43,114.67 r0 top
TP13 "TESTPOINT_TP20_SMD_TP20_SMD" TP20_SMD 54.446,114.67 r0 top
TP14 "TESTPOINT_TP20_SMD_TP20_SMD" TP20_SMD 7.034,110.217 r270 top
TP15 "TESTPOINT_TP20_SMD_TP20_SMD" TP20_SMD 59.501,111.129 r0 top
TP16 "TESTPOINT_TP20_SMD_TP20_SMD" TP20_SMD 8.244,110.195 r270 top
TP17 "TESTPOINT_TP20_SMD_TP20_SMD" TP20_SMD 57.57,109.611 r0 top
TP18 "TESTPOINT_TP20_SMD_TP20_SMD" TP20_SMD 9.768,108.9 r270 top
TP19 "TESTPOINT_TP20_SMD_TP20_SMD" TP20_SMD 60.633,110.736 r0 top
TP20 "TESTPOINT_TP20_SMD_TP20_SMD" TP20_SMD 55.361,103.185 r0 top
TP21 "TESTPOINT_TP20_SMD_TP20_SMD" TP20_SMD 16.471,94.921 r0 top
TP22 "TESTPOINT_TP20_SMD_TP20_SMD" TP20_SMD 55.488,93.381 r0 top
TP23 "TESTPOINT_TP20_SMD_TP20_SMD" TP20_SMD 53.43,92.826 r0 top
TP24 "TESTPOINT_TP20_SMD_TP20_SMD" TP20_SMD 54.446,92.826 r0 top
TP25 "TESTPOINT_TP20_SMD_TP20_SMD" TP20_SMD 20.036,91.806 r0 top
TP26 "TESTPOINT_TP20_SMD_TP20_SMD" TP20_SMD 59.45,91.628 r0 top
TP27 "TESTPOINT_TP20_SMD_TP20_SMD" TP20_SMD 59.501,89.367 r0 top
TP28 "TESTPOINT_TP20_SMD_TP20_SMD" TP20_SMD 23.42,83.417 r0 top
TP29 "TESTPOINT_TP20_SMD_TP20_SMD" TP20_SMD 7.774,82.666 r0 top
TP30 "TESTPOINT_TP20_SMD_TP20_SMD" TP20_SMD 60.389,90.54 r0 top
TP31 "TESTPOINT_TP20_SMD_TP20_SMD" TP20_SMD 10.895,81.396 r180 top
TP32 "TESTPOINT_TP20_SMD_TP20_SMD" TP20_SMD 55.783,79.72 r0 top
TP33 "TESTPOINT_TP20_SMD_TP20_SMD" TP20_SMD 59.985,79.055 r180 top
TP34 "TESTPOINT_TP20_SMD_TP20_SMD" TP20_SMD -0.718,77.314 r270 top
TP35 "TESTPOINT_TP20_SMD_TP20_SMD" TP20_SMD 33.999,77.226 r180 top
TP36 "TESTPOINT_TP20_SMD_TP20_SMD" TP20_SMD 14.365,76.744 r90 top
TP37 "TESTPOINT_TP20_SMD_TP20_SMD" TP20_SMD 2.681,75.548 r0 top
TP38 "TESTPOINT_TP20_SMD_TP20_SMD" TP20_SMD 6.681,74.648 r0 top
TP39 "TESTPOINT_TP20_SMD_TP20_SMD" TP20_SMD 7.596,70.049 r270 top
TP40 "TESTPOINT_TP20_SMD_TP20_SMD" TP20_SMD 18.314,64.913 r180 top
TP41 "TESTPOINT_TP20_SMD_TP20_SMD" TP20_SMD 7.437,96.646 r0 top
TP42 "TESTPOINT_TP20_SMD_TP20_SMD" TP20_SMD 48.632,63.917 r0 top
TP43 "TESTPOINT_TP20_SMD_TP20_SMD" TP20_SMD 42.026,63.847 r0 top
TP45 "TESTPOINT_TP20_SMD_TP20_SMD" TP20_SMD 24.754,59.395 r180 top
TP46 "TESTPOINT_TP20_SMD_TP20_SMD" TP20_SMD 30.596,58.633 r0 top
TP49 "TESTPOINT_TP20_SMD_TP20_SMD" TP20_SMD 70.118,45.352 r180 top
TP50 "TESTPOINT_TP20_SMD_TP20_SMD" TP20_SMD 69.305,44.486 r180 top
TP51 "TESTPOINT_TP20_SMD_TP20_SMD" TP20_SMD 39.841,29.195 r90 top
TP52 "TESTPOINT_TP20_SMD_TP20_SMD" TP20_SMD 73.877,43.01 r180 top
TP53 "TESTPOINT_TP20_SMD_TP20_SMD" TP20_SMD 74.995,43.01 r180 top
TP54 "TESTPOINT_TP20_SMD_TP20_SMD" TP20_SMD 68.351,42.855 r180 top
TP55 "TESTPOINT_TP20_SMD_TP20_SMD" TP20_SMD 69.351,42.855 r180 top
TP56 "TESTPOINT_TP_40X65_THRU HOLE" TP_40X65 79.095,41.672 r0 top
TP57 "TESTPOINT_TP_36X22_THRU HOLE" TP_36X22 41.822,-2.403 r0 top
TP58 "TESTPOINT_TP_36X22_THRU HOLE" TP_36X22 44.362,-2.403 r0 top
TP59 "TESTPOINT_TP_40X65_THRU HOLE" TP_40X65 79.095,39.132 r0 top
TP60 "TESTPOINT_TP20_SMD_TP20_SMD" TP20_SMD 26.074,0.831 r0 top
TP61 "TESTPOINT_TP20_SMD_TP20_SMD" TP20_SMD 26.664,-0.323 r0 top
TP62 "TESTPOINT_TP20_SMD_TP20_SMD" TP20_SMD 74.964,37.741 r180 top
TP63 "TESTPOINT_TP20_SMD_TP20_SMD" TP20_SMD 75.879,37.741 r180 top
TP64 "TESTPOINT_TP20_SMD_TP20_SMD" TP20_SMD 58.104,36.612 r0 top
TP65 "TESTPOINT_TP_40X65_THRU HOLE" TP_40X65 79.095,36.592 r0 top
TP66 "TESTPOINT_TP20_SMD_TP20_SMD" TP20_SMD 69.101,34.137 r180 top
TP67 "TESTPOINT_TP20_SMD_TP20_SMD" TP20_SMD 70.101,34.137 r180 top
TP68 "TESTPOINT_TP20_SMD_TP20_SMD" TP20_SMD 42.018,29.748 r90 top
TP69 "TESTPOINT_TP20_SMD_TP20_SMD" TP20_SMD 52.242,29.517 r0 top
TP70 "TESTPOINT_TP20_SMD_TP20_SMD" TP20_SMD 13.716,28.473 r90 top
TP71 "TESTPOINT_TP_36X22_THRU HOLE" TP_36X22 46.609,43.053 r0 top
TP72 "TESTPOINT_TP_36X22_THRU HOLE" TP_36X22 46.609,41.173 r0 top